# KiCad board Env-KB60F.kicad_pcb
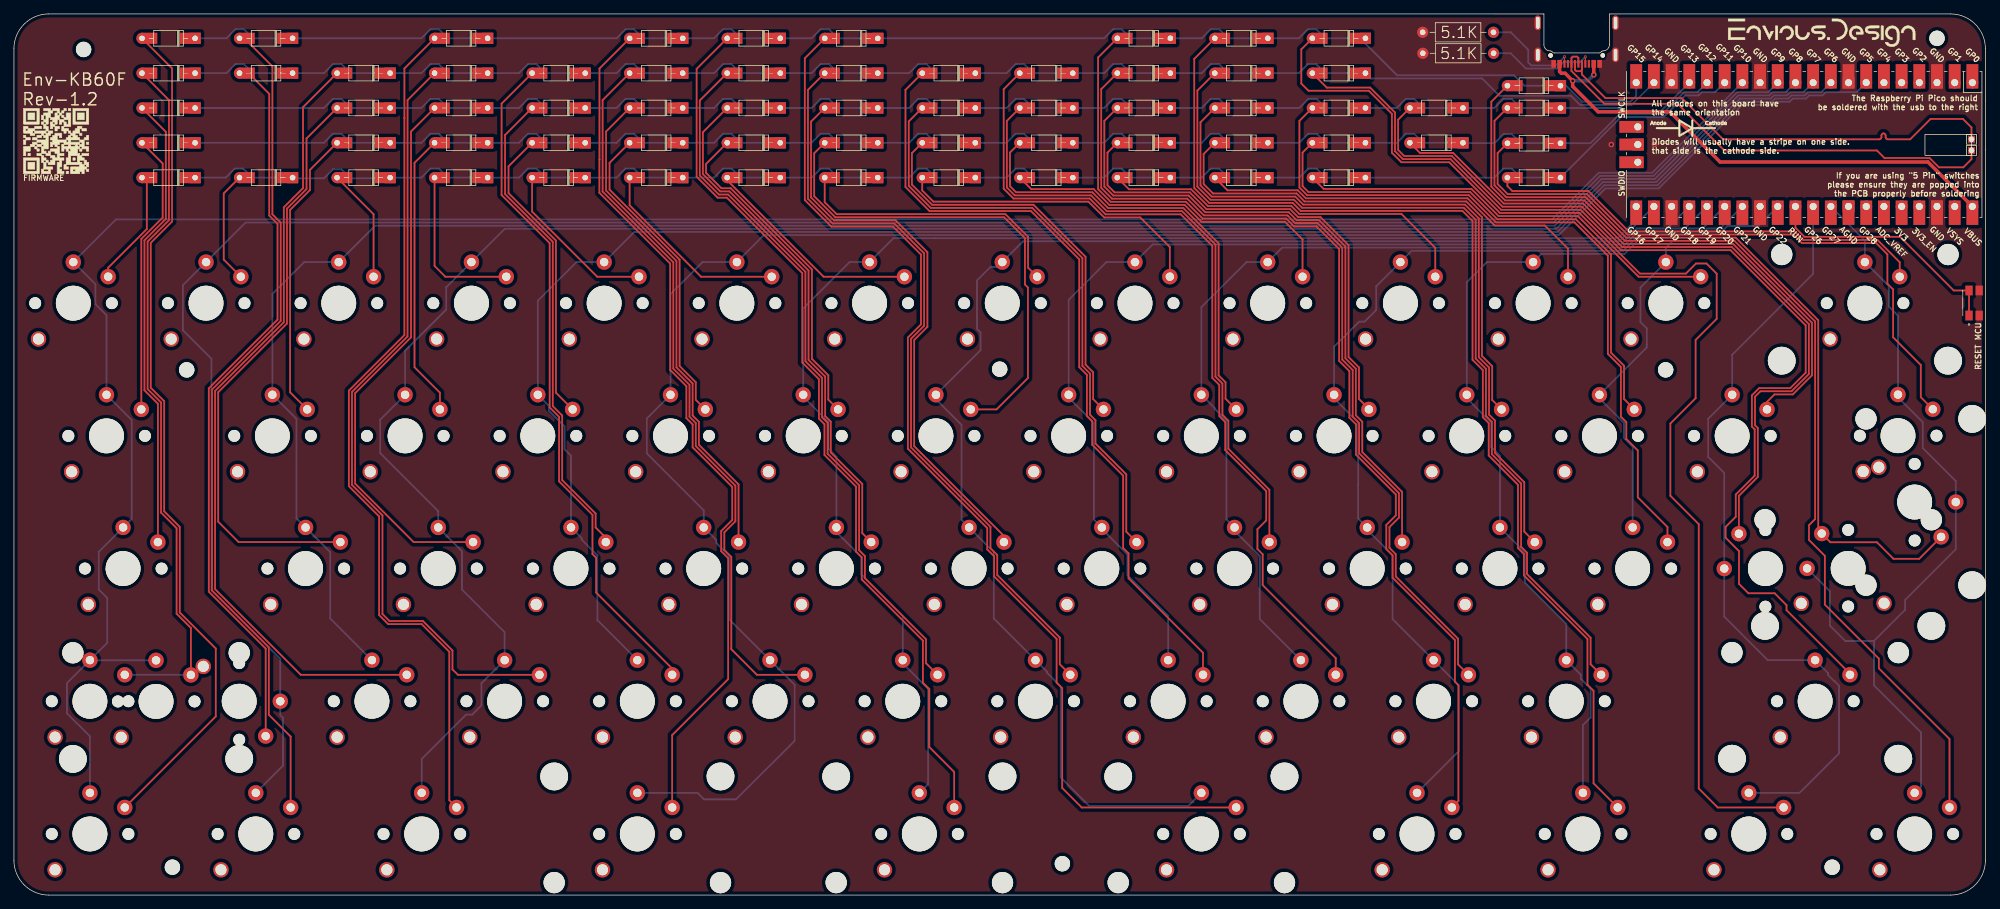
[diagram p0: board, top side]
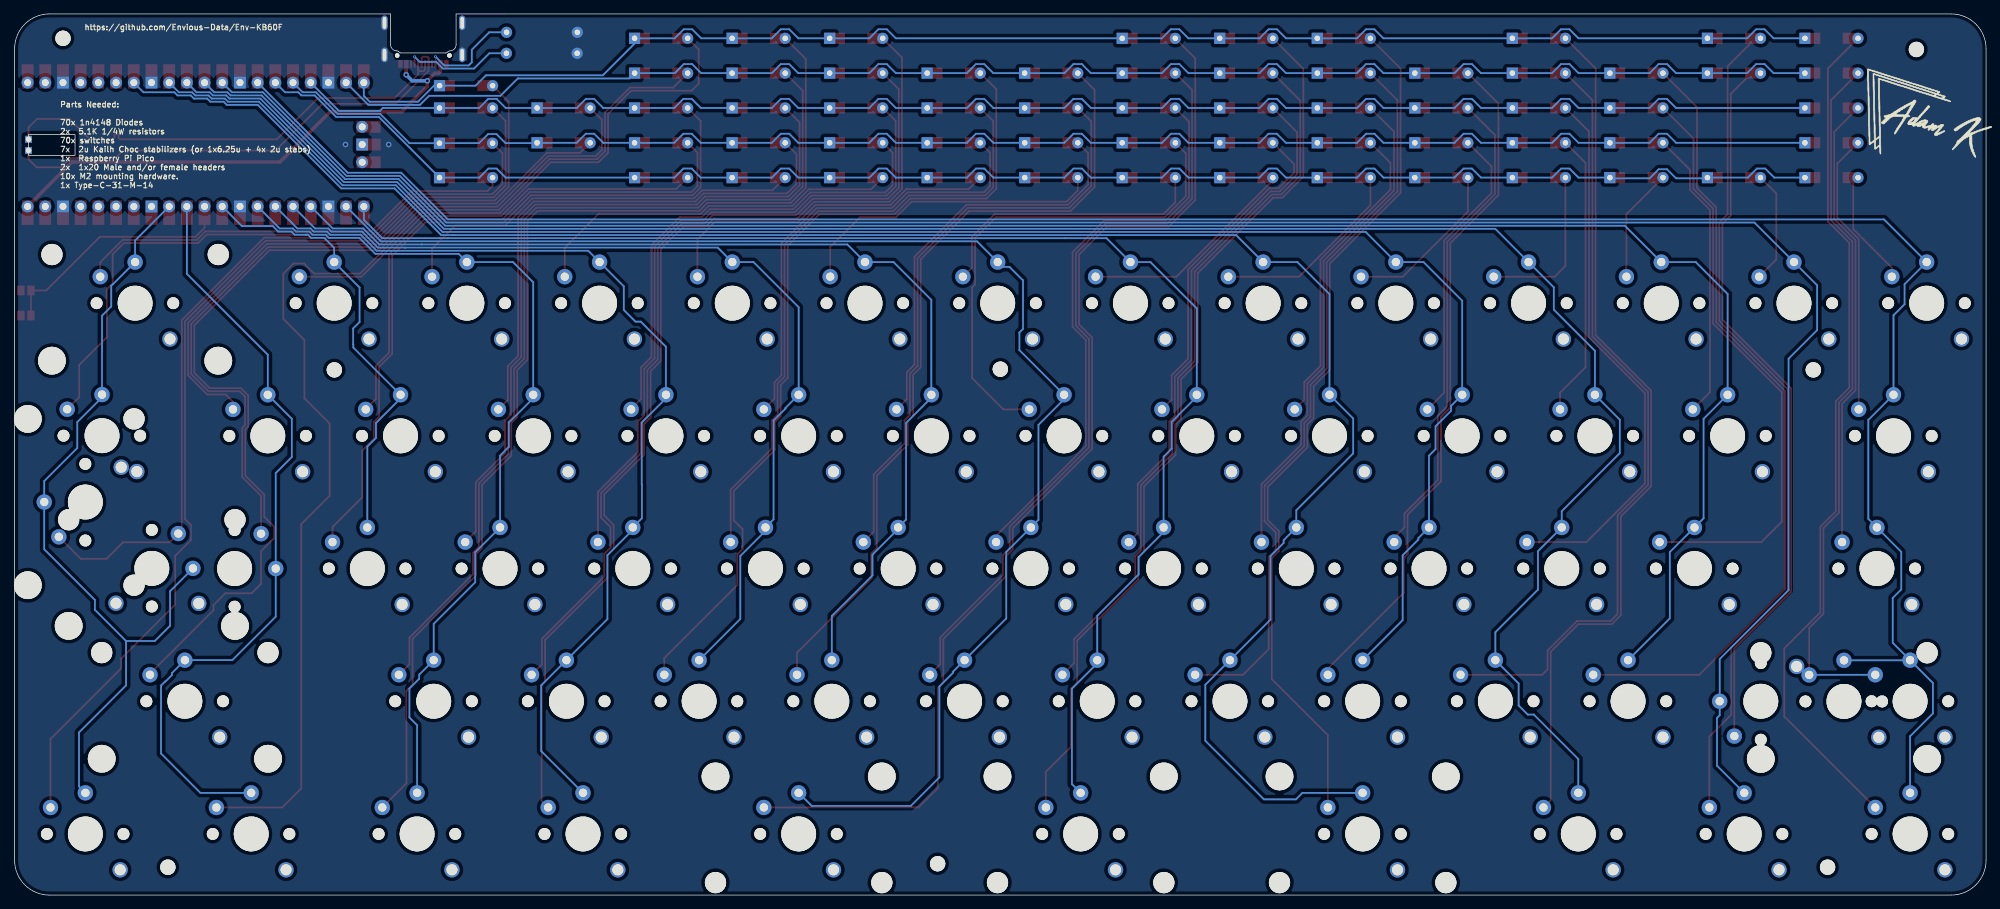
[diagram p1: board, bottom side, seen from below]

Outline 283 x 126.5 mm; copper layers: Top, Bottom. Coordinates in mm from the lower left corner of the outline.
Outline path: rectangle 274.32,109.2 281,106.2 ; 219.62,126.5 5,126.5 arc(1.46,125.04) 0,121.5 0,5 arc(1.46,1.46) 5,0 278,0 arc(281.54,1.46) 283,5 283,121.5 arc(281.54,125.04) 278,126.5 229.03,126.5
Stack: Top 0.035mm / dielectric 1.51mm FR4 er 4.5 / Bottom 0.035mm

## Placement (name value [footprint] x y rotation side)
5.1K1  5.1K 0402 Resistor  [R_Axial_DIN0207_L6.3mm_D2.5mm_P10.16mm_Horizontal]  212.4 120.85 180 top
5.1K2  5.1K 0402 Resistor  [R_Axial_DIN0207_L6.3mm_D2.5mm_P10.16mm_Horizontal]  202.22 123.86 0 top
D_1  D  [D_DO-35_SOD27_P7.62mm_Horizontal_MODIFIED]  26 103 180 top
D_2  D  [D_DO-35_SOD27_P7.62mm_Horizontal_MODIFIED]  40 103 180 top
D_3  D  [D_DO-35_SOD27_P7.62mm_Horizontal_MODIFIED]  54 103 180 top
D_4  D  [D_DO-35_SOD27_P7.62mm_Horizontal_MODIFIED]  68 103 180 top
D_5  D  [D_DO-35_SOD27_P7.62mm_Horizontal_MODIFIED]  82 103 180 top
D_6  D  [D_DO-35_SOD27_P7.62mm_Horizontal_MODIFIED]  96 103 180 top
D_7  D  [D_DO-35_SOD27_P7.62mm_Horizontal_MODIFIED]  110 103 180 top
D_8  D  [D_DO-35_SOD27_P7.62mm_Horizontal_MODIFIED]  124 103 180 top
D_9  D  [D_DO-35_SOD27_P7.62mm_Horizontal_MODIFIED]  138 103 180 top
D_10  D  [D_DO-35_SOD27_P7.62mm_Horizontal_MODIFIED]  152 103 180 top
D_11  D  [D_DO-35_SOD27_P7.62mm_Horizontal_MODIFIED]  166 103 180 top
D_12  D  [D_DO-35_SOD27_P7.62mm_Horizontal_MODIFIED]  180 103 180 top
D_13  D  [D_DO-35_SOD27_P7.62mm_Horizontal_MODIFIED]  194 103 180 top
D_14  D  [D_DO-35_SOD27_P7.62mm_Horizontal_MODIFIED]  222 103 180 top
D_15  D  [D_DO-35_SOD27_P7.62mm_Horizontal_MODIFIED]  26 108 180 top
D_16  D  [D_DO-35_SOD27_P7.62mm_Horizontal_MODIFIED]  54 108 180 top
D_17  D  [D_DO-35_SOD27_P7.62mm_Horizontal_MODIFIED]  68 108 180 top
D_18  D  [D_DO-35_SOD27_P7.62mm_Horizontal_MODIFIED]  82 108 180 top
D_19  D  [D_DO-35_SOD27_P7.62mm_Horizontal_MODIFIED]  96 108 180 top
D_20  D  [D_DO-35_SOD27_P7.62mm_Horizontal_MODIFIED]  110 108 180 top
D_21  D  [D_DO-35_SOD27_P7.62mm_Horizontal_MODIFIED]  124 108 180 top
D_22  D  [D_DO-35_SOD27_P7.62mm_Horizontal_MODIFIED]  138 108 180 top
D_23  D  [D_DO-35_SOD27_P7.62mm_Horizontal_MODIFIED]  152 108 180 top
D_24  D  [D_DO-35_SOD27_P7.62mm_Horizontal_MODIFIED]  166 108 180 top
D_25  D  [D_DO-35_SOD27_P7.62mm_Horizontal_MODIFIED]  180 108 180 top
D_26  D  [D_DO-35_SOD27_P7.62mm_Horizontal_MODIFIED]  194 108 180 top
D_27  D  [D_DO-35_SOD27_P7.62mm_Horizontal_MODIFIED]  208 108 180 top
D_28  D  [D_DO-35_SOD27_P7.62mm_Horizontal_MODIFIED]  222.01 107.94 180 top
D_29  D  [D_DO-35_SOD27_P7.62mm_Horizontal_MODIFIED]  26 113 180 top
D_30  D  [D_DO-35_SOD27_P7.62mm_Horizontal_MODIFIED]  54 113 180 top
D_31  D  [D_DO-35_SOD27_P7.62mm_Horizontal_MODIFIED]  68 113 180 top
D_32  D  [D_DO-35_SOD27_P7.62mm_Horizontal_MODIFIED]  82 113 180 top
D_33  D  [D_DO-35_SOD27_P7.62mm_Horizontal_MODIFIED]  96 113 180 top
D_34  D  [D_DO-35_SOD27_P7.62mm_Horizontal_MODIFIED]  110 113 180 top
D_35  D  [D_DO-35_SOD27_P7.62mm_Horizontal_MODIFIED]  124 113 180 top
D_36  D  [D_DO-35_SOD27_P7.62mm_Horizontal_MODIFIED]  138 113 180 top
D_37  D  [D_DO-35_SOD27_P7.62mm_Horizontal_MODIFIED]  152 113 180 top
D_38  D  [D_DO-35_SOD27_P7.62mm_Horizontal_MODIFIED]  166 113 180 top
D_39  D  [D_DO-35_SOD27_P7.62mm_Horizontal_MODIFIED]  180 113 180 top
D_40  D  [D_DO-35_SOD27_P7.62mm_Horizontal_MODIFIED]  194 113 180 top
D_41  D  [D_DO-35_SOD27_P7.62mm_Horizontal_MODIFIED]  208 113 180 top
D_42  D  [D_DO-35_SOD27_P7.62mm_Horizontal_MODIFIED]  222 113 180 top
D_43  D  [D_DO-35_SOD27_P7.62mm_Horizontal_MODIFIED]  26 118 180 top
D_44  D  [D_DO-35_SOD27_P7.62mm_Horizontal_MODIFIED]  40 118 180 top
D_45  D  [D_DO-35_SOD27_P7.62mm_Horizontal_MODIFIED]  54 118 180 top
D_46  D  [D_DO-35_SOD27_P7.62mm_Horizontal_MODIFIED]  68 118 180 top
D_47  D  [D_DO-35_SOD27_P7.62mm_Horizontal_MODIFIED]  82 118 180 top
D_48  D  [D_DO-35_SOD27_P7.62mm_Horizontal_MODIFIED]  96 118 180 top
D_49  D  [D_DO-35_SOD27_P7.62mm_Horizontal_MODIFIED]  110 118 180 top
D_50  D  [D_DO-35_SOD27_P7.62mm_Horizontal_MODIFIED]  124 118 180 top
D_51  D  [D_DO-35_SOD27_P7.62mm_Horizontal_MODIFIED]  138 118 180 top
D_52  D  [D_DO-35_SOD27_P7.62mm_Horizontal_MODIFIED]  152 118 180 top
D_53  D  [D_DO-35_SOD27_P7.62mm_Horizontal_MODIFIED]  166 118 180 top
D_54  D  [D_DO-35_SOD27_P7.62mm_Horizontal_MODIFIED]  180 118 180 top
D_55  D  [D_DO-35_SOD27_P7.62mm_Horizontal_MODIFIED]  194 118 180 top
D_56  D  [D_DO-35_SOD27_P7.62mm_Horizontal_MODIFIED]  26 123 180 top
D_57  D  [D_DO-35_SOD27_P7.62mm_Horizontal_MODIFIED]  40 123 180 top
D_58  D  [D_DO-35_SOD27_P7.62mm_Horizontal_MODIFIED]  68 123 180 top
D_59  D  [D_DO-35_SOD27_P7.62mm_Horizontal_MODIFIED]  110 123 180 top
D_60  D  [D_DO-35_SOD27_P7.62mm_Horizontal_MODIFIED]  166 123 180 top
D_61  D  [D_DO-35_SOD27_P7.62mm_Horizontal_MODIFIED]  180 123 180 top
D_62  D  [D_DO-35_SOD27_P7.62mm_Horizontal_MODIFIED]  194 123 180 top
D_63  D  [D_DO-35_SOD27_P7.62mm_Horizontal_MODIFIED]  222 116.2 180 top
D_590  D  [D_DO-35_SOD27_P7.62mm_Horizontal_MODIFIED]  96 122.99 180 top
D_591  D  [D_DO-35_SOD27_P7.62mm_Horizontal_MODIFIED]  124 122.99 180 top
G***  LOGO  [diode]  240 110.1 0 top
G***#2  LOGO  [firmware-qrcode]  6.05 108.25 0 top
G***#3  LOGO  [logo]  7.98 112 180 bottom
H1  MountingHole  [MountingHole_2.2mm_M2-MODIFIED]  150.5 4.5 0 top
H2  MountingHole  [MountingHole_2.2mm_M2-MODIFIED]  22.75 4 0 top
H3  MountingHole  [MountingHole_2.2mm_M2-MODIFIED]  10 121.4 0 top
H4  MountingHole  [MountingHole_2.2mm_M2-MODIFIED]  24.8 75.4 0 top
H6  MountingHole  [MountingHole_2.2mm_M2-MODIFIED]  261 4 0 top
H9  MountingHole  [MountingHole_2.2mm_M2-MODIFIED]  141.5 75.5 0 top
H10  MountingHole  [MountingHole_2.2mm_M2-MODIFIED]  237.1 75.4 0 top
H11  MountingHole  [MountingHole_2.2mm_M2-MODIFIED]  276.05 123 0 top
J1  TP3 Pad  [TestPoint_Pad_1.0x1.0mm]  281 108.5 0 top
J2  TP2 Pad  [TestPoint_Pad_1.0x1.0mm]  281 106.9 0 top
K_1  KEYSW  [SW_Kailh_Choc_V2]  8.53 84.97 0 top
K_2  KEYSW  [SW_Kailh_Choc_V2]  27.58 84.97 0 top
K_3  KEYSW  [SW_Kailh_Choc_V2]  46.62 84.97 0 top
K_4  KEYSW  [SW_Kailh_Choc_V2]  65.68 84.97 0 top
K_5  KEYSW  [SW_Kailh_Choc_V2]  84.72 84.97 0 top
K_6  KEYSW  [SW_Kailh_Choc_V2]  103.78 84.97 0 top
K_7  KEYSW  [SW_Kailh_Choc_V2]  122.82 84.97 0 top
K_8  KEYSW  [SW_Kailh_Choc_V2]  141.88 84.97 0 top
K_9  KEYSW  [SW_Kailh_Choc_V2]  160.93 84.97 0 top
K_10  KEYSW  [SW_Kailh_Choc_V2]  179.98 84.97 0 top
K_11  KEYSW  [SW_Kailh_Choc_V2]  199.02 84.97 0 top
K_12  KEYSW  [SW_Kailh_Choc_V2]  218.07 84.97 0 top
K_13  KEYSW  [SW_Kailh_Choc_V2]  237.12 84.97 0 top
K_14  KEYSW  [SW_Kailh_Choc_V2]  265.7 84.97 0 top
K_15  KEYSW  [SW_Kailh_Choc_V2]  13.29 65.92 0 top
K_16  KEYSW  [SW_Kailh_Choc_V2]  37.1 65.92 0 top
K_17  KEYSW  [SW_Kailh_Choc_V2]  56.15 65.92 0 top
K_18  KEYSW  [SW_Kailh_Choc_V2]  75.2 65.92 0 top
K_19  KEYSW  [SW_Kailh_Choc_V2]  94.25 65.92 0 top
K_20  KEYSW  [SW_Kailh_Choc_V2]  113.3 65.92 0 top
K_21  KEYSW  [SW_Kailh_Choc_V2]  132.35 65.92 0 top
K_22  KEYSW  [SW_Kailh_Choc_V2]  151.4 65.92 0 top
K_23  KEYSW  [SW_Kailh_Choc_V2]  170.45 65.92 0 top
K_24  KEYSW  [SW_Kailh_Choc_V2]  189.5 65.92 0 top
K_25  KEYSW  [SW_Kailh_Choc_V2]  208.55 65.92 0 top
K_26  KEYSW  [SW_Kailh_Choc_V2]  227.6 65.92 0 top
K_27  KEYSW  [SW_Kailh_Choc_V2]  246.65 65.92 0 top
K_28  KEYSW  [SW_Kailh_Choc_V2]  270.45 65.95 0 top
K_29  KEYSW  [SW_Kailh_Choc_V2]  263.3 46.9 90 top
K_30  KEYSW  [SW_Kailh_Choc_V2]  15.67 46.88 0 top
K_31  KEYSW  [SW_Kailh_Choc_V2]  41.86 46.88 0 top
K_32  KEYSW  [SW_Kailh_Choc_V2]  60.91 46.88 0 top
K_33  KEYSW  [SW_Kailh_Choc_V2]  79.96 46.88 0 top
K_34  KEYSW  [SW_Kailh_Choc_V2]  99.01 46.88 0 top
K_35  KEYSW  [SW_Kailh_Choc_V2]  118.06 46.88 0 top
K_36  KEYSW  [SW_Kailh_Choc_V2]  137.11 46.88 0 top
K_37  KEYSW  [SW_Kailh_Choc_V2]  156.16 46.88 0 top
K_38  KEYSW  [SW_Kailh_Choc_V2]  175.21 46.88 0 top
K_39  KEYSW  [SW_Kailh_Choc_V2]  194.26 46.88 0 top
K_40  KEYSW  [SW_Kailh_Choc_V2]  213.31 46.88 0 top
K_41  KEYSW  [SW_Kailh_Choc_V2]  232.36 46.88 0 top
K_42  KEYSW  [SW_Kailh_Choc_V2]  251.41 46.88 90 top
K_43  KEYSW  [SW_Kailh_Choc_V2]  272.84 56.42 270 top
K_44  KEYSW  [SW_Kailh_Choc_V2]  20.4 27.8 0 top
K_45  KEYSW  [SW_Kailh_Choc_V2]  10.91 27.82 0 top
K_46  KEYSW  [SW_Kailh_Choc_V2]  32.34 27.82 270 top
K_47  KEYSW  [SW_Kailh_Choc_V2]  51.39 27.82 0 top
K_48  KEYSW  [SW_Kailh_Choc_V2]  70.44 27.82 0 top
K_49  KEYSW  [SW_Kailh_Choc_V2]  89.49 27.82 0 top
K_50  KEYSW  [SW_Kailh_Choc_V2]  108.54 27.82 0 top
K_51  KEYSW  [SW_Kailh_Choc_V2]  127.59 27.82 0 top
K_52  KEYSW  [SW_Kailh_Choc_V2]  146.64 27.82 0 top
K_53  KEYSW  [SW_Kailh_Choc_V2]  165.69 27.82 0 top
K_54  KEYSW  [SW_Kailh_Choc_V2]  184.74 27.82 0 top
K_55  KEYSW  [SW_Kailh_Choc_V2]  203.79 27.82 0 top
K_56  KEYSW  [SW_Kailh_Choc_V2]  222.84 27.82 0 top
K_57  KEYSW  [SW_Kailh_Choc_V2]  258.56 27.82 0 top
K_58  KEYSW  [SW_Kailh_Choc_V2]  10.91 8.78 0 top
K_59  KEYSW  [SW_Kailh_Choc_V2]  34.72 8.78 0 top
K_60  KEYSW  [SW_Kailh_Choc_V2]  58.53 8.78 0 top
K_61  KEYSW  [SW_Kailh_Choc_V2]  129.97 8.78 0 top
K_62  KEYSW  [SW_Kailh_Choc_V2]  201.41 8.78 0 top
K_63  KEYSW  [SW_Kailh_Choc_V2]  225.22 8.78 0 top
K_64  KEYSW  [SW_Kailh_Choc_V2]  249.03 8.78 0 top
K_65  KEYSW  [SW_Kailh_Choc_V2]  272.84 8.78 0 top
K_610  KEYSW  [SW_Kailh_Choc_V2]  89.49 8.78 0 top
K_612  KEYSW  [SW_Kailh_Choc_V2]  170.45 8.78 0 top
kibuzzard-627518B3  G***  [kibuzzard-627518B3]  259.5 123.8 0 top
stab1  MX Stabilizer  [Stabilizer_Cherry_MX_2u]  89.49 8.78 180 top
stab2  MX Stabilizer  [Stabilizer_Cherry_MX_2u]  265.7 84.97 0 top
stab3  MX Stabilizer  [Stabilizer_Cherry_MX_2u]  20.4 27.8 0 top
stab4  MX Stabilizer  [Stabilizer_Cherry_MX_2u]  272.84 56.42 90 top
stab5  MX Stabilizer  [Stabilizer_Cherry_MX_2u]  263.3 46.9 0 top
stab6  MX Stabilizer  [Stabilizer_Cherry_MX_2u]  129.97 8.78 180 top
stab7  MX Stabilizer  [Stabilizer_Cherry_MX_2u]  170.45 8.78 180 top
stab8  MX Stabilizer  [Stabilizer_Cherry_MX_2u]  258.56 27.82 0 top
SW1  EVQ-P7A01P  [Panasonic-EVQ-P7A01P-0-0-MFG]  281.7 85 90 top
U1  Pico  [RPi_Pico_SMD_TH]  257 107.75 270 top
USB1  HRO-TYPE-C-31-M-14  [USB_C_TYPE-C-31-M-14]  224.32 122.2 180 top

## Library data of the parts
USB1 = -: LCSC: C319148; MPN: U262-161N-4BVC11; Manufacturer: XKB Enterprise

## Footprints (pads in the part's own frame, mm; a bottom-side part is the same pattern mirrored in y, then rotated)
D_DO-35_SOD27_P7.62mm_Horizontal_MODIFIED
  rect 1.6x1.6 hole 0.8: 1(0,0)
  rect 3x1.6 smd: 1(0.7,0)
  rrect 3x1.6 smd: 2(6.925,0)
  round 1.6 hole 0.8: 2(7.62,0)
MountingHole_2.2mm_M2-MODIFIED
  round 2.2 hole 2.2 unplated: (0,0)
Panasonic-EVQ-P7A01P-0-0-MFG
  rect 1.4x1.05 smd: 1(-1.8,1.05) 1'(1.8,1.05) 2(-1.8,-0.4) 2'(1.8,-0.4)
R_Axial_DIN0207_L6.3mm_D2.5mm_P10.16mm_Horizontal
  round 1.6 hole 0.8: 1(0,0)
  oval 1.6x1.6 hole 0.8: 2(10.16,0)
RPi_Pico_SMD_TH
  oval 1.7x1.7 hole 1.02: 1(-8.89,24.13) 2(-8.89,21.59) 4(-8.89,16.51) 5(-8.89,13.97) 6(-8.89,11.43) 7(-8.89,8.89) 9(-8.89,3.81) 10(-8.89,1.27) 11(-8.89,-1.27) 12(-8.89,-3.81) 14(-8.89,-8.89) 15(-8.89,-11.43) 16(-8.89,-13.97) 17(-8.89,-16.51) 19(-8.89,-21.59) 20(-8.89,-24.13) 21(8.89,-24.13) 22(8.89,-21.59) 24(8.89,-16.51) 25(8.89,-13.97) 26(8.89,-11.43) 27(8.89,-8.89) 29(8.89,-3.81) 30(8.89,-1.27) 31(8.89,1.27) 32(8.89,3.81) 34(8.89,8.89) 35(8.89,11.43) 36(8.89,13.97) 37(8.89,16.51) 39(8.89,21.59) 40(8.89,24.13) 41(-2.54,-23.9) 43(2.54,-23.9)
  rect 3.5x1.7 smd: 1(-8.89,24.13) 2(-8.89,21.59) 3(-8.89,19.05) 4(-8.89,16.51) 5(-8.89,13.97) 6(-8.89,11.43) 7(-8.89,8.89) 8(-8.89,6.35) 9(-8.89,3.81) 10(-8.89,1.27) 11(-8.89,-1.27) 12(-8.89,-3.81) 13(-8.89,-6.35) 14(-8.89,-8.89) 15(-8.89,-11.43) 16(-8.89,-13.97) 17(-8.89,-16.51) 18(-8.89,-19.05) 19(-8.89,-21.59) 20(-8.89,-24.13) 21(8.89,-24.13) 22(8.89,-21.59) 23(8.89,-19.05) 24(8.89,-16.51) 25(8.89,-13.97) 26(8.89,-11.43) 27(8.89,-8.89) 28(8.89,-6.35) 29(8.89,-3.81) 30(8.89,-1.27) 31(8.89,1.27) 32(8.89,3.81) 33(8.89,6.35) 34(8.89,8.89) 35(8.89,11.43) 36(8.89,13.97) 37(8.89,16.51) 38(8.89,19.05) 39(8.89,21.59) 40(8.89,24.13)
  rect 1.7x1.7 hole 1.02: 3(-8.89,19.05) 8(-8.89,6.35) 13(-8.89,-6.35) 18(-8.89,-19.05) 23(8.89,-19.05) 28(8.89,-6.35) 33(8.89,6.35) 38(8.89,19.05) 42(0,-23.9)
  rect 1.7x3.5 smd: 41(-2.54,-23.9) 42(0,-23.9) 43(2.54,-23.9)
Stabilizer_Cherry_MX_2u
  round 3.048 hole 3.048 unplated: (-11.938,6.985) (11.938,6.985)
  round 3.988 hole 3.988 unplated: (-11.938,-8.255) (11.938,-8.255)
SW_Kailh_Choc_V2
  round 1.702 hole 1.702 unplated: (-5.475,0) (5.525,0)
  round 2.2 hole 1.6: (-5,-5.15)
  round 5 hole 5 unplated: (0,0)
  round 2.2 hole 1.2: 1(0,5.9) 2(5,3.8)
TestPoint_Pad_1.0x1.0mm
  rect 1x1 hole 0.8: 1(0,0)
USB_C_TYPE-C-31-M-14
  oval 1.2x2.4 smd: (-5.675,1.58) (-5.675,-3.02) (5.675,1.58) (5.675,-3.02)
  round 0.65 hole 0.65 unplated: (-3.75,1.66) (3.75,1.66)
  rect 0.6x1.1 smd: A1(-3.3,2.86) A4(-2.45,2.86) A9(2.45,2.86) A12(3.3,2.86) B1(3.3,2.86) B4(2.45,2.86) B9(-2.45,2.86) B12(-3.3,2.86)
  rect 0.3x1.1 smd: A5(-1.25,2.86) A6(-0.25,2.86) A7(0.25,2.86) A8(1.25,2.86) B5(1.75,2.86) B6(0.75,2.86) B7(-0.75,2.86) B8(-1.75,2.86)
  oval 0.9x2.1 hole 0.5x1.7: S1(-5.575,1.58) S1(-5.575,-3.02) S1(5.575,1.58) S1(5.575,-3.02)

## Nets
GND: 5.1K1.2 5.1K2.1 SW1.2 SW1.2' U1.3 U1.8 U1.13 U1.18 U1.23 U1.28 U1.38 USB1.A1 USB1.A12 USB1.B1 USB1.B12 USB1.S1
VBUS: U1.40 USB1.A4 USB1.A9 USB1.B4 USB1.B9
col0: K_1.1 K_15.1 K_30.1 K_44.1 K_45.1 K_58.1 U1.14
col1: K_2.1 K_46.1 K_59.1 U1.12
col2: K_3.1 K_16.1 K_31.1 K_47.1 U1.11
col3: K_4.1 K_17.1 K_32.1 K_48.1 K_60.1 U1.10
col4: K_5.1 K_18.1 K_33.1 K_49.1 U1.9
col5: K_6.1 K_19.1 K_34.1 K_50.1 K_610.1 U1.7
col6: K_7.1 K_20.1 K_35.1 K_51.1 K_61.1 U1.21
col7: K_8.1 K_21.1 K_36.1 K_52.1 K_612.1 U1.22
col8: K_9.1 K_22.1 K_37.1 K_53.1 U1.24
col9: K_10.1 K_23.1 K_38.1 K_54.1 U1.25
col10: K_11.1 K_24.1 K_39.1 K_55.1 K_62.1 U1.26
col11: K_12.1 K_25.1 K_40.1 K_56.1 K_63.1 U1.27
col12: K_13.1 K_26.1 K_41.1 U1.29
col13: K_27.1 K_42.1 K_57.1 K_64.1 U1.31
col14: K_14.1 K_28.1 K_29.1 K_43.1 K_65.1 U1.32
row0: D_1.1 D_2.1 D_3.1 D_4.1 D_5.1 D_6.1 D_7.1 D_8.1 D_9.1 D_10.1 D_11.1 D_12.1 D_13.1 D_14.1 U1.15
row1: D_15.1 D_16.1 D_17.1 D_18.1 D_19.1 D_20.1 D_21.1 D_22.1 D_23.1 D_24.1 D_25.1 D_26.1 D_27.1 D_28.1 U1.16
row2: D_29.1 D_30.1 D_31.1 D_32.1 D_33.1 D_34.1 D_35.1 D_36.1 D_37.1 D_38.1 D_39.1 D_40.1 D_41.1 D_42.1 U1.17
row3: D_43.1 D_44.1 D_45.1 D_46.1 D_47.1 D_48.1 D_49.1 D_50.1 D_51.1 D_52.1 D_53.1 D_54.1 D_55.1 U1.19
row4: D_56.1 D_57.1 D_58.1 D_59.1 D_60.1 D_61.1 D_62.1 D_63.1 D_590.1 D_591.1 U1.20
RUNPIN: SW1.1 SW1.1' U1.30
USB2_N: J1.1 USB1.A7 USB1.B7
USB2_P: J2.1 USB1.A6 USB1.B6
Net-(5.1K1-Pad1): 5.1K1.1 USB1.A5
Net-(5.1K2-Pad2): 5.1K2.2 USB1.B5
Net-(D_1-Pad2): D_1.2 K_1.2
Net-(D_2-Pad2): D_2.2 K_2.2
Net-(D_3-Pad2): D_3.2 K_3.2
Net-(D_4-Pad2): D_4.2 K_4.2
Net-(D_5-Pad2): D_5.2 K_5.2
Net-(D_6-Pad2): D_6.2 K_6.2
Net-(D_7-Pad2): D_7.2 K_7.2
Net-(D_8-Pad2): D_8.2 K_8.2
Net-(D_9-Pad2): D_9.2 K_9.2
Net-(D_10-Pad2): D_10.2 K_10.2
Net-(D_11-Pad2): D_11.2 K_11.2
Net-(D_12-Pad2): D_12.2 K_12.2
Net-(D_13-Pad2): D_13.2 K_13.2
Net-(D_14-Pad2): D_14.2 K_14.2
Net-(D_15-Pad2): D_15.2 K_15.2
Net-(D_16-Pad2): D_16.2 K_16.2
Net-(D_17-Pad2): D_17.2 K_17.2
Net-(D_18-Pad2): D_18.2 K_18.2
Net-(D_19-Pad2): D_19.2 K_19.2
Net-(D_20-Pad2): D_20.2 K_20.2
Net-(D_21-Pad2): D_21.2 K_21.2
Net-(D_22-Pad2): D_22.2 K_22.2
Net-(D_23-Pad2): D_23.2 K_23.2
Net-(D_24-Pad2): D_24.2 K_24.2
Net-(D_25-Pad2): D_25.2 K_25.2
Net-(D_26-Pad2): D_26.2 K_26.2
Net-(D_27-Pad2): D_27.2 K_27.2
Net-(D_28-Pad2): D_28.2 K_28.2
Net-(D_29-Pad2): D_29.2 K_30.2
Net-(D_30-Pad2): D_30.2 K_31.2
Net-(D_31-Pad2): D_31.2 K_32.2
Net-(D_32-Pad2): D_32.2 K_33.2
Net-(D_33-Pad2): D_33.2 K_34.2
Net-(D_34-Pad2): D_34.2 K_35.2
Net-(D_35-Pad2): D_35.2 K_36.2
Net-(D_36-Pad2): D_36.2 K_37.2
Net-(D_37-Pad2): D_37.2 K_38.2
Net-(D_38-Pad2): D_38.2 K_39.2
Net-(D_39-Pad2): D_39.2 K_40.2
Net-(D_40-Pad2): D_40.2 K_41.2
Net-(D_41-Pad2): D_41.2 K_42.2
Net-(D_42-Pad2): D_42.2 K_29.2 K_43.2
Net-(D_43-Pad2): D_43.2 K_44.2 K_45.2
Net-(D_44-Pad2): D_44.2 K_46.2
Net-(D_45-Pad2): D_45.2 K_47.2
Net-(D_46-Pad2): D_46.2 K_48.2
Net-(D_47-Pad2): D_47.2 K_49.2
Net-(D_48-Pad2): D_48.2 K_50.2
Net-(D_49-Pad2): D_49.2 K_51.2
Net-(D_50-Pad2): D_50.2 K_52.2
Net-(D_51-Pad2): D_51.2 K_53.2
Net-(D_52-Pad2): D_52.2 K_54.2
Net-(D_53-Pad2): D_53.2 K_55.2
Net-(D_54-Pad2): D_54.2 K_56.2
Net-(D_55-Pad2): D_55.2 K_57.2
Net-(D_56-Pad2): D_56.2 K_58.2
Net-(D_57-Pad2): D_57.2 K_59.2
Net-(D_58-Pad2): D_58.2 K_60.2